# KiCad board 2choc2flat-extmcu-iso.kicad_pcb
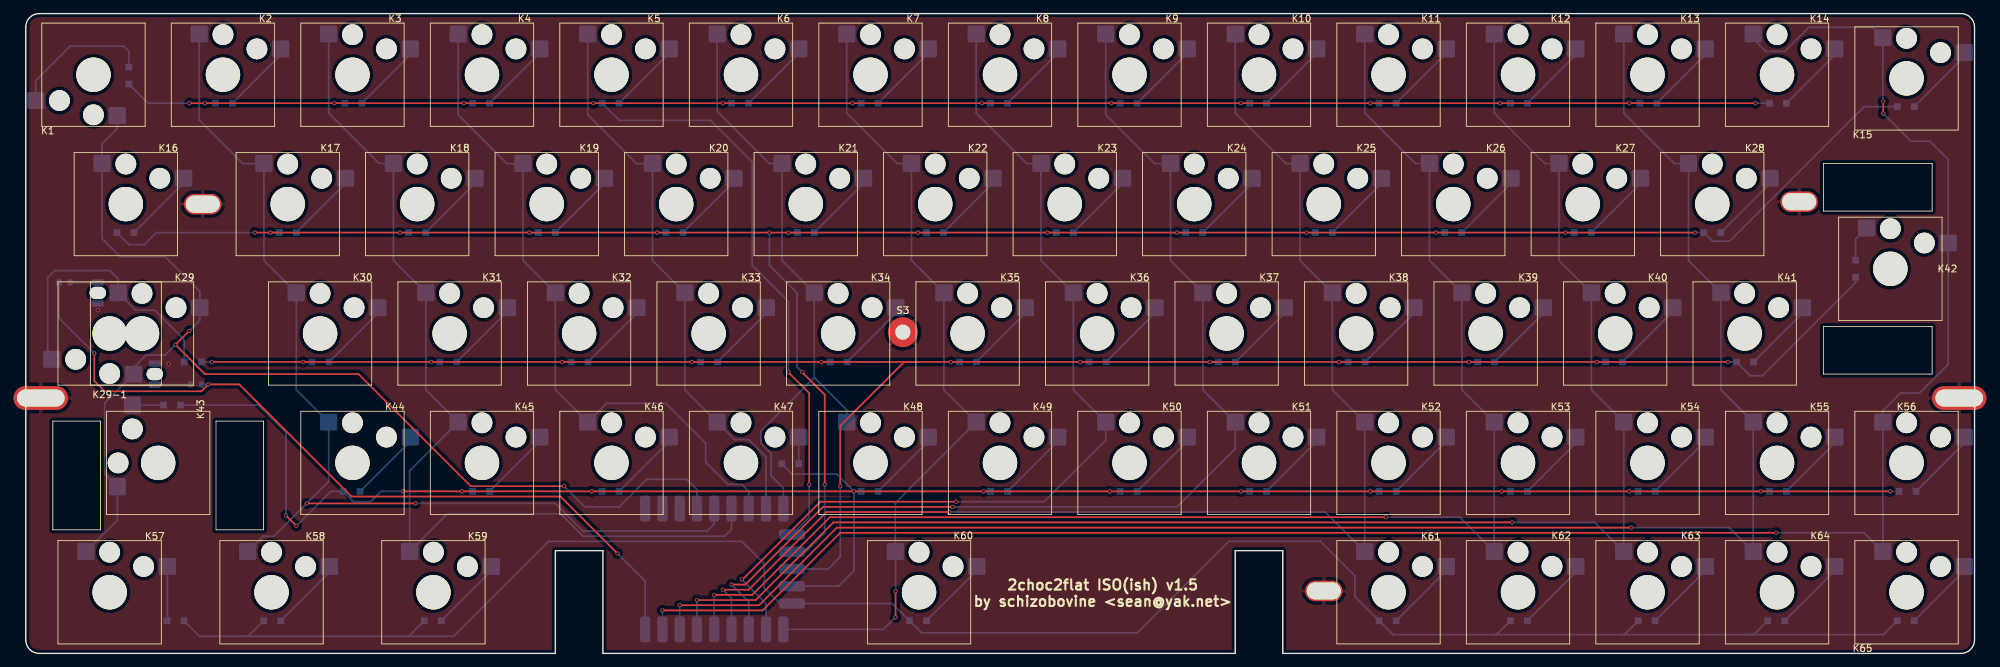
[diagram p0: board, top side]
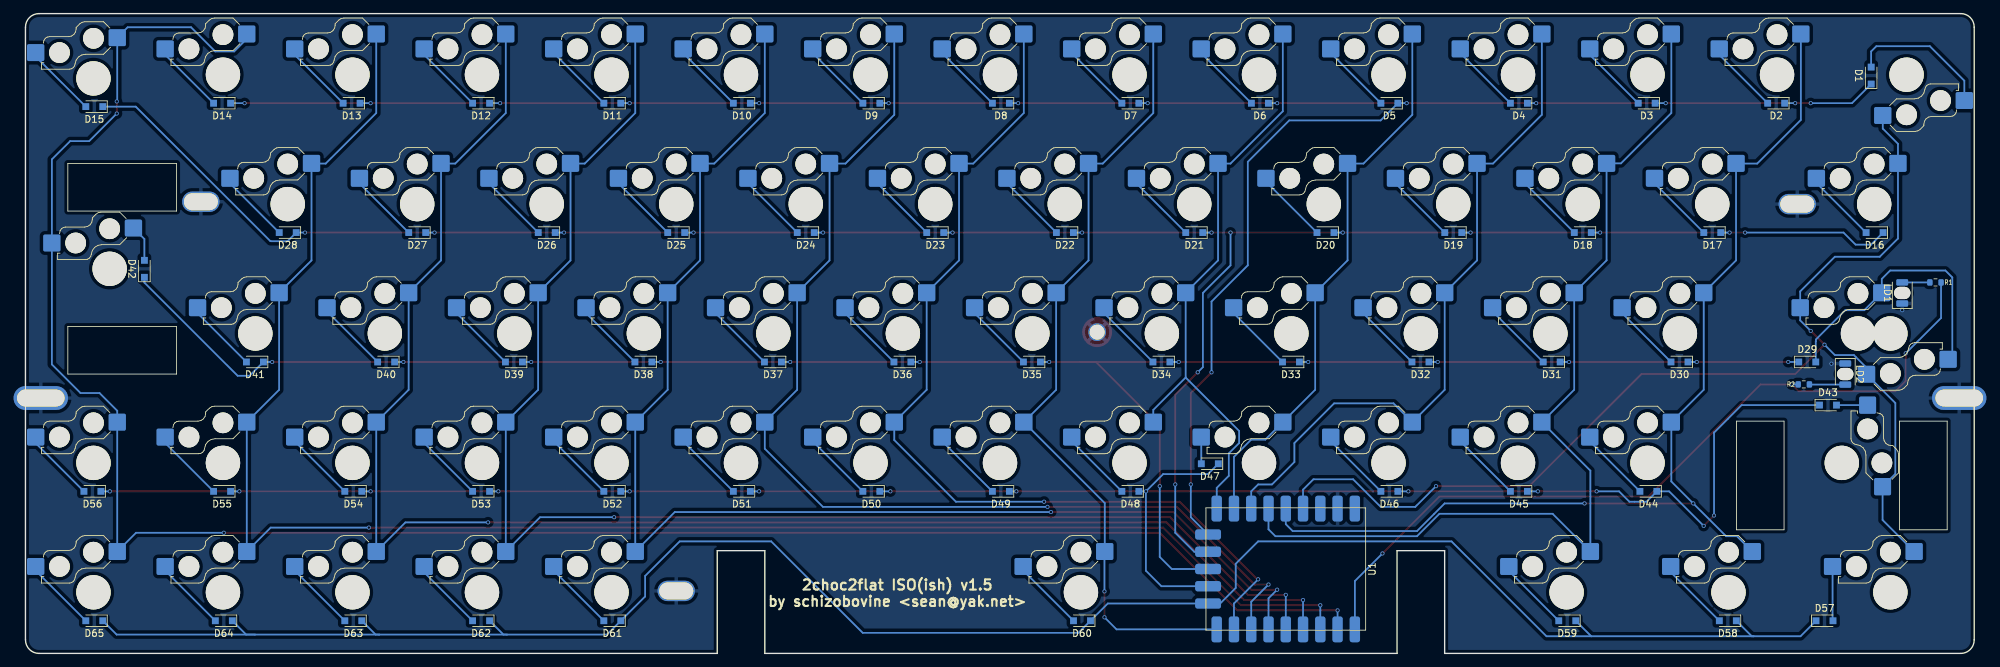
[diagram p1: board, bottom side, seen from below]

Outline 286.65 x 94.2 mm; copper layers: Top, Bottom. Coordinates in mm from the lower left corner of the outline.
Outline path: 0,92.2 0,2 arc(0.56,0.6) 1.95,0 77.89,0 77.89,15.13 84.89,15.13 84.89,0 177.89,0 177.89,15.13 184.89,15.13 184.89,0 284.65,0 arc(286.06,0.59) 286.65,2 286.65,92.2 arc(286.06,93.61) 284.65,94.2 1.95,94.2 arc(0.56,93.6) 0,92.2
Stack: Top 0.035mm / dielectric 1.51mm FR4 er 4.5 / Bottom 0.035mm

## Placement (name value [footprint] x y rotation side)
D1  D  [D_SOD-323_HandSoldering]  15.16 85.07 90 bottom
D2  D  [D_SOD-323_HandSoldering]  29.13 81.01 0 bottom
D3  D  [D_SOD-323_HandSoldering]  48.18 81.01 0 bottom
D4  D  [D_SOD-323_HandSoldering]  66.97 81.01 0 bottom
D5  D  [D_SOD-323_HandSoldering]  86.02 81.01 0 bottom
D6  D  [D_SOD-323_HandSoldering]  105.07 81.01 0 bottom
D7  D  [D_SOD-323_HandSoldering]  124.12 81.01 0 bottom
D8  D  [D_SOD-323_HandSoldering]  143.17 81.01 0 bottom
D9  D  [D_SOD-323_HandSoldering]  162.22 81.01 0 bottom
D10  D  [D_SOD-323_HandSoldering]  181.27 81.01 0 bottom
D11  D  [D_SOD-323_HandSoldering]  200.32 81.01 0 bottom
D12  D  [D_SOD-323_HandSoldering]  219.63 81.01 0 bottom
D13  D  [D_SOD-323_HandSoldering]  238.68 81.01 0 bottom
D14  D  [D_SOD-323_HandSoldering]  257.73 81.01 0 bottom
D15  D  [D_SOD-323_HandSoldering]  276.52 80.5 0 bottom
D16  D  [D_SOD-323_HandSoldering]  14.65 61.96 0 bottom
D17  D  [D_SOD-323_HandSoldering]  38.52 61.96 0 bottom
D18  D  [D_SOD-323_HandSoldering]  57.57 61.96 0 bottom
D19  D  [D_SOD-323_HandSoldering]  76.62 61.96 0 bottom
D20  D  [D_SOD-323_HandSoldering]  95.42 61.96 0 bottom
D21  D  [D_SOD-323_HandSoldering]  114.72 61.96 0 bottom
D22  D  [D_SOD-323_HandSoldering]  133.76 61.96 0 bottom
D23  D  [D_SOD-323_HandSoldering]  152.83 61.96 0 bottom
D24  D  [D_SOD-323_HandSoldering]  171.88 61.96 0 bottom
D25  D  [D_SOD-323_HandSoldering]  190.93 61.96 0 bottom
D26  D  [D_SOD-323_HandSoldering]  209.98 61.96 0 bottom
D27  D  [D_SOD-323_HandSoldering]  229.03 61.96 0 bottom
D28  D  [D_SOD-323_HandSoldering]  248.08 61.96 0 bottom
D29  D  [D_SOD-323_HandSoldering]  24.55 42.91 180 bottom
D30  D  [D_SOD-323_HandSoldering]  43.35 42.91 0 bottom
D31  D  [D_SOD-323_HandSoldering]  62.15 42.91 0 bottom
D32  D  [D_SOD-323_HandSoldering]  81.45 42.91 0 bottom
D33  D  [D_SOD-323_HandSoldering]  100.5 42.91 0 bottom
D34  D  [D_SOD-323_HandSoldering]  119.55 42.91 0 bottom
D35  D  [D_SOD-323_HandSoldering]  138.6 42.91 0 bottom
D36  D  [D_SOD-323_HandSoldering]  157.65 42.91 0 bottom
D37  D  [D_SOD-323_HandSoldering]  176.7 42.91 0 bottom
D38  D  [D_SOD-323_HandSoldering]  195.75 42.91 0 bottom
D39  D  [D_SOD-323_HandSoldering]  214.8 42.91 0 bottom
D40  D  [D_SOD-323_HandSoldering]  233.6 42.91 0 bottom
D41  D  [D_SOD-323_HandSoldering]  252.9 42.91 0 bottom
D42  D  [D_SOD-323_HandSoldering]  269.16 56.63 90 bottom
D43  D  [D_SOD-323_HandSoldering]  21.51 36.56 180 bottom
D44  D  [D_SOD-323_HandSoldering]  47.92 23.86 0 bottom
D45  D  [D_SOD-323_HandSoldering]  66.97 23.86 0 bottom
D46  D  [D_SOD-323_HandSoldering]  86.02 23.86 0 bottom
D47  D  [D_SOD-323_HandSoldering]  112.44 27.92 0 bottom
D48  D  [D_SOD-323_HandSoldering]  124.12 23.86 0 bottom
D49  D  [D_SOD-323_HandSoldering]  143.17 23.86 0 bottom
D50  D  [D_SOD-323_HandSoldering]  162.22 23.86 0 bottom
D51  D  [D_SOD-323_HandSoldering]  181.27 23.86 0 bottom
D52  D  [D_SOD-323_HandSoldering]  200.32 23.86 0 bottom
D53  D  [D_SOD-323_HandSoldering]  219.63 23.86 0 bottom
D54  D  [D_SOD-323_HandSoldering]  238.42 23.86 0 bottom
D55  D  [D_SOD-323_HandSoldering]  257.73 23.86 0 bottom
D56  D  [D_SOD-323_HandSoldering]  276.8 23.86 0 bottom
D57  D  [D_SOD-323_HandSoldering]  22.02 4.81 180 bottom
D58  D  [D_SOD-323_HandSoldering]  36.24 4.81 0 bottom
D59  D  [D_SOD-323_HandSoldering]  59.86 4.81 0 bottom
D60  D  [D_SOD-323_HandSoldering]  131.24 4.81 0 bottom
D61  D  [D_SOD-323_HandSoldering]  200.32 4.81 0 bottom
D62  D  [D_SOD-323_HandSoldering]  219.63 4.81 0 bottom
D63  D  [D_SOD-323_HandSoldering]  238.42 4.81 0 bottom
D64  D  [D_SOD-323_HandSoldering]  257.47 4.81 0 bottom
D65  D  [D_SOD-323_HandSoldering]  276.52 4.81 0 bottom
K1  KEYSW  [SW_Hotswap_Kailh_Choc_V2_1.00u]  9.95 85.2 180 top
K2  KEYSW  [SW_Hotswap_Kailh_Choc_V2_1.00u]  29 85.2 0 top
K3  KEYSW  [SW_Hotswap_Kailh_Choc_V2_1.00u]  48.05 85.2 0 top
K4  KEYSW  [SW_Hotswap_Kailh_Choc_V2_1.00u]  67.1 85.2 0 top
K5  KEYSW  [SW_Hotswap_Kailh_Choc_V2_1.00u]  86.15 85.2 0 top
K6  KEYSW  [SW_Hotswap_Kailh_Choc_V2_1.00u]  105.2 85.2 0 top
K7  KEYSW  [SW_Hotswap_Kailh_Choc_V2_1.00u]  124.25 85.2 0 top
K8  KEYSW  [SW_Hotswap_Kailh_Choc_V2_1.00u]  143.3 85.2 0 top
K9  KEYSW  [SW_Hotswap_Kailh_Choc_V2_1.00u]  162.35 85.2 0 top
K10  KEYSW  [SW_Hotswap_Kailh_Choc_V2_1.00u]  181.4 85.2 0 top
K11  KEYSW  [SW_Hotswap_Kailh_Choc_V2_1.00u]  200.45 85.2 0 top
K12  KEYSW  [SW_Hotswap_Kailh_Choc_V2_1.00u]  219.5 85.2 0 top
K13  KEYSW  [SW_Hotswap_Kailh_Choc_V2_1.00u]  238.55 85.2 0 top
K14  KEYSW  [SW_Hotswap_Kailh_Choc_V2_1.00u]  257.6 85.2 0 top
K15  KEYSW  [SW_Hotswap_Kailh_Choc_V2_1.00u]  276.65 84.66 0 top
K16  KEYSW  [SW_Hotswap_Kailh_Choc_V2_1.50u]  14.71 66.15 0 top
K17  KEYSW  [SW_Hotswap_Kailh_Choc_V2_1.00u]  38.52 66.15 0 top
K18  KEYSW  [SW_Hotswap_Kailh_Choc_V2_1.00u]  57.57 66.15 0 top
K19  KEYSW  [SW_Hotswap_Kailh_Choc_V2_1.00u]  76.62 66.15 0 top
K20  KEYSW  [SW_Hotswap_Kailh_Choc_V2_1.00u]  95.67 66.15 0 top
K21  KEYSW  [SW_Hotswap_Kailh_Choc_V2_1.00u]  114.72 66.15 0 top
K22  KEYSW  [SW_Hotswap_Kailh_Choc_V2_1.00u]  133.78 66.15 0 top
K23  KEYSW  [SW_Hotswap_Kailh_Choc_V2_1.00u]  152.83 66.15 0 top
K24  KEYSW  [SW_Hotswap_Kailh_Choc_V2_1.00u]  171.88 66.15 0 top
K25  KEYSW  [SW_Hotswap_Kailh_Choc_V2_1.00u]  190.93 66.15 0 top
K26  KEYSW  [SW_Hotswap_Kailh_Choc_V2_1.00u]  209.98 66.15 0 top
K27  KEYSW  [SW_Hotswap_Kailh_Choc_V2_1.00u]  229.03 66.15 0 top
K28  KEYSW  [SW_Hotswap_Kailh_Choc_V2_1.00u]  248.08 66.15 0 top
K29  KEYSW  [SW_Hotswap_Kailh_Choc_V2_1.75u]  17.09 47.1 0 top
K29-1  KEYSW  [SW_Hotswap_Kailh_Choc_V2_1.25u]  12.33 47.1 180 top
K30  KEYSW  [SW_Hotswap_Kailh_Choc_V2_1.00u]  43.29 47.1 0 top
K31  KEYSW  [SW_Hotswap_Kailh_Choc_V2_1.00u]  62.34 47.1 0 top
K32  KEYSW  [SW_Hotswap_Kailh_Choc_V2_1.00u]  81.39 47.1 0 top
K33  KEYSW  [SW_Hotswap_Kailh_Choc_V2_1.00u]  100.44 47.1 0 top
K34  KEYSW  [SW_Hotswap_Kailh_Choc_V2_1.00u]  119.49 47.1 0 top
K35  KEYSW  [SW_Hotswap_Kailh_Choc_V2_1.00u]  138.54 47.1 0 top
K36  KEYSW  [SW_Hotswap_Kailh_Choc_V2_1.00u]  157.59 47.1 0 top
K37  KEYSW  [SW_Hotswap_Kailh_Choc_V2_1.00u]  176.64 47.1 0 top
K38  KEYSW  [SW_Hotswap_Kailh_Choc_V2_1.00u]  195.69 47.1 0 top
K39  KEYSW  [SW_Hotswap_Kailh_Choc_V2_1.00u]  214.74 47.1 0 top
K40  KEYSW  [SW_Hotswap_Kailh_Choc_V2_1.00u]  233.79 47.1 0 top
K41  KEYSW  [SW_Hotswap_Kailh_Choc_V2_1.00u]  252.84 47.1 0 top
K42  KEYSW  [SW_Hotswap_Kailh_Choc_V2_ISOEnter_West_Gateron_LP_Stabs]  274.27 56.63 0 top
K43  KEYSW  [SW_Hotswap_Kailh_Choc_V2_2.00u_90deg_Gateron_LP_Stabs]  19.48 28.05 90 top
K44  KEYSW  [SW_Hotswap_Kailh_Choc_V2_1.00u]  48.05 28.05 0 top
K45  KEYSW  [SW_Hotswap_Kailh_Choc_V2_1.00u]  67.1 28.05 0 top
K46  KEYSW  [SW_Hotswap_Kailh_Choc_V2_1.00u]  86.15 28.05 0 top
K47  KEYSW  [SW_Hotswap_Kailh_Choc_V2_1.00u]  105.2 28.05 0 top
K48  KEYSW  [SW_Hotswap_Kailh_Choc_V2_1.00u]  124.25 28.05 0 top
K49  KEYSW  [SW_Hotswap_Kailh_Choc_V2_1.00u]  143.3 28.05 0 top
K50  KEYSW  [SW_Hotswap_Kailh_Choc_V2_1.00u]  162.35 28.05 0 top
K51  KEYSW  [SW_Hotswap_Kailh_Choc_V2_1.00u]  181.4 28.05 0 top
K52  KEYSW  [SW_Hotswap_Kailh_Choc_V2_1.00u]  200.45 28.05 0 top
K53  KEYSW  [SW_Hotswap_Kailh_Choc_V2_1.00u]  219.5 28.05 0 top
K54  KEYSW  [SW_Hotswap_Kailh_Choc_V2_1.00u]  238.55 28.05 0 top
K55  KEYSW  [SW_Hotswap_Kailh_Choc_V2_1.00u]  257.6 28.05 0 top
K56  KEYSW  [SW_Hotswap_Kailh_Choc_V2_1.00u]  276.65 28.05 0 top
K57  KEYSW  [SW_Hotswap_Kailh_Choc_V2_1.25u]  12.33 9 0 top
K58  KEYSW  [SW_Hotswap_Kailh_Choc_V2_1.25u]  36.14 9 0 top
K59  KEYSW  [SW_Hotswap_Kailh_Choc_V2_1.25u]  59.96 9 0 top
K60  KEYSW  [SW_Hotswap_Kailh_Choc_V2_6.25u]  131.39 9 0 top
K61  KEYSW  [SW_Hotswap_Kailh_Choc_V2_1.00u]  200.45 9 0 top
K62  KEYSW  [SW_Hotswap_Kailh_Choc_V2_1.00u]  219.5 9 0 top
K63  KEYSW  [SW_Hotswap_Kailh_Choc_V2_1.00u]  238.55 9 0 top
K64  KEYSW  [SW_Hotswap_Kailh_Choc_V2_1.00u]  257.6 9 0 top
K65  KEYSW  [SW_Hotswap_Kailh_Choc_V2_1.00u]  276.65 9 0 top
LD1  LED  [LED_1206_3216Metric_ReverseMount_Hole1.8x2.4mm]  10.59 53.07 90 bottom
LD2  LED  [LED_1206_3216Metric_ReverseMount_Hole1.8x2.4mm]  18.97 41.13 270 bottom
R1  330R  [R_0603_1608Metric]  5.7 54.62 0 bottom
R2  330R  [R_0603_1608Metric]  25.06 39.61 180 bottom
S1  Screw  [3_5x2.5mm]  26.03 66.15 0 top
S2  Screw  [3_5x2.5mm]  260.85 66.5 0 top
S3  Screw  [MountingHole_2.2mm_M2_Pad_TopOnly]  129.01 47.3 0 top
S4  Screw  [8x3.5_7x2.5mm]  2.2 37.6 0 top
S5  Screw  [8x3.5_7x2.5mm]  284.4 37.6 0 top
S6  Screw  [3_5x2.5mm]  190.93 9.2 0 top
U1  WS-RP2040-Tiny  [WAVESHARE_RP2040_TINY]  101.26 12.43 270 bottom

## Footprints (pads in the part's own frame, mm; a bottom-side part is the same pattern mirrored in y, then rotated)
3_5x2.5mm
  oval 5.5x3 hole 5x2.5: 1(0,0)
8x3.5_7x2.5mm
  oval 8x3.5 hole 7x2.5: 1(0,0)
D_SOD-323_HandSoldering
  rect 1x1 smd: 1(-1.25,0) 2(1.25,0)
LED_1206_3216Metric_ReverseMount_Hole1.8x2.4mm
  oval 1.8x2.4 hole 1.8x2.4 unplated: (0,0)
  rrect 0.95x1.75 smd: 1(-1.55,0) 2(1.55,0)
MountingHole_2.2mm_M2_Pad_TopOnly
  round 2.6 hole 2.2: 1(0,0)
  round 4.4 smd: 1(0,0)
R_0603_1608Metric
  rrect 0.8x0.95 smd: 1(-0.825,0) 2(0.825,0)
SW_Hotswap_Kailh_Choc_V2_1.00u
  round 3.05 hole 3.05 unplated: (0,5.9) (5,3.8)
  round 5.05 hole 5.05 unplated: (0,0)
  rrect 2.55x2.5 smd far side: 1(-3.5,6) 2(8.5,3.8)
SW_Hotswap_Kailh_Choc_V2_1.25u
  round 3.05 hole 3.05 unplated: (0,5.9) (5,3.8)
  round 5.05 hole 5.05 unplated: (0,0)
  rrect 2.55x2.5 smd far side: 1(-3.5,6) 2(8.5,3.8)
SW_Hotswap_Kailh_Choc_V2_1.50u
  round 3.05 hole 3.05 unplated: (0,5.9) (5,3.8)
  round 5.05 hole 5.05 unplated: (0,0)
  rrect 2.55x2.5 smd far side: 1(-3.5,6) 2(8.5,3.8)
SW_Hotswap_Kailh_Choc_V2_1.75u
  round 3.05 hole 3.05 unplated: (0,5.9) (5,3.8)
  round 5.05 hole 5.05 unplated: (0,0)
  rrect 2.55x2.5 smd far side: 1(-3.5,6) 2(8.5,3.8)
SW_Hotswap_Kailh_Choc_V2_2.00u_90deg_Gateron_LP_Stabs
  round 3.05 hole 3.05 unplated: (0,5.9) (5,3.8)
  round 5.05 hole 5.05 unplated: (0,0)
  rrect 2.55x2.5 smd far side: 1(-3.5,6) 2(8.5,3.8)
SW_Hotswap_Kailh_Choc_V2_6.25u
  round 3.05 hole 3.05 unplated: (0,5.9) (5,3.8)
  round 5.05 hole 5.05 unplated: (0,0)
  rrect 2.55x2.5 smd far side: 1(-3.5,6) 2(8.5,3.8)
SW_Hotswap_Kailh_Choc_V2_ISOEnter_West_Gateron_LP_Stabs
  round 3.05 hole 3.05 unplated: (0,5.9) (5,3.8)
  round 5.05 hole 5.05 unplated: (0,0)
  rrect 2.55x2.5 smd far side: 1(-3.5,6) 2(8.5,3.8)
WAVESHARE_RP2040_TINY
  rrect 3.81x1.524 smd: 1(8.89,10.16) 2(8.89,7.62) 3(8.89,5.08) 4(8.89,2.54) 5(8.89,0) 6(8.89,-2.54) 7(8.89,-5.08) 8(8.89,-7.62) 9(8.89,-10.16) 15(-8.89,-10.16) 16(-8.89,-7.62) 17(-8.89,-5.08) 18(-8.89,-2.54) 19(-8.89,0) 20(-8.89,2.54) 21(-8.89,5.08) 22(-8.89,7.62) 23(-8.89,10.16)
  rrect 1.524x3.81 smd: 10(5.08,-11.43) 11(2.54,-11.43) 12(0,-11.43) 13(-2.54,-11.43) 14(-5.08,-11.43)

## Nets
+3V3: U1.21
+5V: U1.23
GND: LD1.1 LD2.1 S1.1 S2.1 S3.1 S4.1 S5.1 S6.1 U1.22
col0: K1.1 K16.1 K29.2 K29-1.1 K43.1 K57.1 U1.20
col1: K2.1 K17.1 K30.1 K44.1 K58.1 U1.19
col2: K3.1 K18.1 K31.1 K45.1 K59.1 U1.18
col3: K4.1 K19.1 K32.1 K46.1 U1.17
col4: K5.1 K20.1 K33.1 K47.1 U1.16
col5: K6.1 K21.1 K34.1 K48.1 U1.15
col6: K7.1 K22.1 K35.1 K49.1 K60.1 U1.9
col7: K8.1 K23.1 K36.1 K50.1 U1.8
col8: K9.1 K24.1 K37.1 K51.1 U1.7
col9: K10.1 K25.1 K38.1 K52.1 K61.1 U1.6
col10: K11.1 K26.1 K39.1 K53.1 K62.1 U1.5
col11: K12.1 K27.1 K40.1 K54.1 K63.1 U1.4
col12: K13.1 K28.1 K41.1 K55.1 K64.1 U1.3
col13: K14.1 K15.1 K42.2 K56.1 K65.1 U1.2
col14: R1.1 R2.1 U1.1
row0: D1.1 D2.1 D3.1 D4.1 D5.1 D6.1 D7.1 D8.1 D9.1 D10.1 D11.1 D12.1 D13.1 D14.1 U1.14
row1: D15.1 D16.1 D17.1 D18.1 D19.1 D20.1 D21.1 D22.1 D23.1 D24.1 D25.1 D26.1 D27.1 D28.1 U1.13
row2: D29.1 D30.1 D31.1 D32.1 D33.1 D34.1 D35.1 D36.1 D37.1 D38.1 D39.1 D40.1 D41.1 D42.1 U1.12
row3: D43.1 D44.1 D45.1 D46.1 D47.1 D48.1 D49.1 D50.1 D51.1 D52.1 D53.1 D54.1 D55.1 D56.1 U1.11
row4: D57.1 D58.1 D59.1 D60.1 D61.1 D62.1 D63.1 D64.1 D65.1 U1.10
Net-(D1-Pad2): D1.2 K1.2
Net-(D2-Pad2): D2.2 K2.2
Net-(D3-Pad2): D3.2 K3.2
Net-(D4-Pad2): D4.2 K4.2
Net-(D5-Pad2): D5.2 K5.2
Net-(D6-Pad2): D6.2 K6.2
Net-(D7-Pad2): D7.2 K7.2
Net-(D8-Pad2): D8.2 K8.2
Net-(D9-Pad2): D9.2 K9.2
Net-(D10-Pad2): D10.2 K10.2
Net-(D11-Pad2): D11.2 K11.2
Net-(D12-Pad2): D12.2 K12.2
Net-(D13-Pad2): D13.2 K13.2
Net-(D14-Pad2): D14.2 K14.2
Net-(D15-Pad2): D15.2 K15.2
Net-(D16-Pad2): D16.2 K16.2
Net-(D17-Pad2): D17.2 K17.2
Net-(D18-Pad2): D18.2 K18.2
Net-(D19-Pad2): D19.2 K19.2
Net-(D20-Pad2): D20.2 K20.2
Net-(D21-Pad2): D21.2 K21.2
Net-(D22-Pad2): D22.2 K22.2
Net-(D23-Pad2): D23.2 K23.2
Net-(D24-Pad2): D24.2 K24.2
Net-(D25-Pad2): D25.2 K25.2
Net-(D26-Pad2): D26.2 K26.2
Net-(D27-Pad2): D27.2 K27.2
Net-(D28-Pad2): D28.2 K28.2
Net-(D29-Pad2): D29.2 K29.1 K29-1.2
Net-(D30-Pad2): D30.2 K30.2
Net-(D31-Pad2): D31.2 K31.2
Net-(D32-Pad2): D32.2 K32.2
Net-(D33-Pad2): D33.2 K33.2
Net-(D34-Pad2): D34.2 K34.2
Net-(D35-Pad2): D35.2 K35.2
Net-(D36-Pad2): D36.2 K36.2
Net-(D37-Pad2): D37.2 K37.2
Net-(D38-Pad2): D38.2 K38.2
Net-(D39-Pad2): D39.2 K39.2
Net-(D40-Pad2): D40.2 K40.2
Net-(D41-Pad2): D41.2 K41.2
Net-(D42-Pad2): D42.2 K42.1
Net-(D43-Pad2): D43.2 K43.2
Net-(D44-Pad2): D44.2 K44.2
Net-(D45-Pad2): D45.2 K45.2
Net-(D46-Pad2): D46.2 K46.2
Net-(D47-Pad2): D47.2 K47.2
Net-(D48-Pad2): D48.2 K48.2
Net-(D49-Pad2): D49.2 K49.2
Net-(D50-Pad2): D50.2 K50.2
Net-(D51-Pad2): D51.2 K51.2
Net-(D52-Pad2): D52.2 K52.2
Net-(D53-Pad2): D53.2 K53.2
Net-(D54-Pad2): D54.2 K54.2
Net-(D55-Pad2): D55.2 K55.2
Net-(D56-Pad2): D56.2 K56.2
Net-(D57-Pad2): D57.2 K57.2
Net-(D58-Pad2): D58.2 K58.2
Net-(D59-Pad2): D59.2 K59.2
Net-(D60-Pad2): D60.2 K60.2
Net-(D61-Pad2): D61.2 K61.2
Net-(D62-Pad2): D62.2 K62.2
Net-(D63-Pad2): D63.2 K63.2
Net-(D64-Pad2): D64.2 K64.2
Net-(D65-Pad2): D65.2 K65.2
Net-(LD1-Pad2): LD1.2 R1.2
Net-(LD2-Pad2): LD2.2 R2.2

## Via types
v1: diameter 0.6, hole 0.4, Top to Bottom, 88 vias

## Routing (per net, layer and track width the routed paths; a pad name or vN(x,y) marks a point on that pad's centre or on a via; arc(x,y) is an arc through that point)
GND:
  vias: v1(10.59,50.53) v1(21,42.66)
col0: length 176.8
  Top w0.25: v1(79.16,24.62) 65.45,24.62 48.94,41.13 26.33,41.13 v1(22.02,45.45) v1(24.05,47.48)
  Bottom w0.25: v1(79.16,24.62) 82.21,21.57 87.29,21.57 91.36,25.64 97.2,25.64 98.72,24.11 U1.20 ; K1.1 13.45,77.27 11.21,75.03 K16.1 11.21,61.08 13.89,58.4 20.49,58.4 25.59,53.3 K29.2 25.59,49.03 v1(24.05,47.48) ; v1(22.02,45.45) 20.49,43.93 17.7,43.93 15.83,42.06 K29-1.1 11.6,36.87 11.6,26.42 K43.1 13.48,19.64 K57.1
col1: length 156.2
  Top w0.25: v1(57.32,22.08) v1(41.32,22.08)
  Bottom w0.25: K58.1 34.9,17.26 36.49,17.26 v1(41.32,22.08) 44.55,25.31 K44.1 39.79,38.81 K30.1 35.02,57.86 K17.1 34.99,72.12 31.92,72.12 25.5,78.54 25.5,91.2 ; v1(57.32,22.08) 77.89,22.08 81.96,18.02 100.25,18.02 101.26,19.03 U1.19
col2: length 142.8
  Bottom w0.25: 44.55,91.2 44.55,79.56 51.96,72.15 K18.1 54.07,57.86 K31.1 58.84,38.81 K45.1 56.46,26.91 K59.1 62.01,20.56 78.66,20.56 81.96,17.26 102.79,17.26 103.8,18.27 U1.18
col3: length 100.8
  Bottom w0.25: U1.17 106.34,23.86 105.33,24.88 103.3,24.88 99.99,28.18 99.99,30.97 94.15,36.81 85.41,36.81 K46.1 77.89,38.81 K32.1 73.12,57.86 K19.1 73.09,72.12 70.78,72.12 63.6,79.3 63.6,91.2
col4: length 83.4
  Bottom w0.25: U1.16 108.88,28.94 106.34,31.48 104.27,31.48 K47.1 96.94,38.81 K33.1 92.17,57.86 K20.1 92.14,72.12 89.83,72.12 82.65,79.3 82.65,91.2
col5: length 90.1
  Bottom w0.25: 115.99,40.62 108.12,32.75 108.12,30.97 109.64,29.45 109.64,26.15 111.42,24.37 U1.15 ; 115.99,40.62 120.75,35.85 K48.1 ; 115.99,40.62 K34.1 111.22,57.86 K21.1 111.19,72.12 109.39,72.12 101.7,79.81 101.7,91.2
col6: length 117.2
  Top w0.25: v1(127.93,5.32) v1(127.93,9.13)
  Bottom w0.25: v1(127.93,5.32) 126.16,3.54 U1.9 ; 120.75,91.2 120.75,79.56 128.19,72.12 130.24,72.12 K22.1 130.28,57.86 K35.1 135.04,38.81 K49.1 127.89,22.14 K60.1 127.93,14.96 v1(127.93,9.13)
col7: length 139.8
  Top w0.25: v1(136.82,22.34) 116.88,22.34 105.45,10.91 v1(105.33,10.91)
  Bottom w0.25: U1.8 108.88,7.35 v1(105.33,10.91) ; 139.8,91.2 139.8,79.56 147.24,72.12 149.29,72.12 K23.1 149.33,57.86 K36.1 154.09,38.81 K50.1 158.85,31.41 149.78,22.34 v1(136.82,22.34)
col8: length 160.4
  Top w0.25: v1(136.31,21.57) 117.27,21.57 105.83,10.14 v1(103.8,10.14)
  Bottom w0.25: U1.7 106.34,7.6 v1(103.8,10.14) ; v1(136.31,21.57) 169.34,21.57 177.9,30.14 K51.1 173.14,38.81 K37.1 168.38,57.86 K24.1 168.34,72.12 166.03,72.12 158.85,79.3 158.85,91.2
col9: length 193.3
  Top w0.25: v1(102.53,9.38) 106.34,9.38 117.77,20.81 v1(135.81,20.81)
  Bottom w0.25: U1.6 103.8,8.11 v1(102.53,9.38) ; v1(135.81,20.81) 191.14,20.81 K61.1 K52.1 192.19,38.81 K38.1 187.43,57.86 K25.1 187.39,72.12 185.34,72.12 177.9,79.56 177.9,91.2
col10: length 212
  Top w0.25: v1(101.26,8.62) 106.85,8.62 118.28,20.05 v1(200.07,20.05)
  Bottom w0.25: U1.5 v1(101.26,8.62) ; 196.95,91.2 196.95,79.56 204.39,72.12 206.44,72.12 K26.1 206.48,57.86 K39.1 211.24,38.81 K53.1 K62.1 210.95,20.05 v1(200.07,20.05)
col11: length 232.5
  Top w0.25: v1(98.72,7.86) 107.36,7.86 118.79,19.29 v1(218.61,19.29)
  Bottom w0.25: 216,91.2 216,79.56 223.44,72.12 225.49,72.12 K27.1 225.53,57.86 K40.1 230.29,38.81 K54.1 K63.1 230.76,19.29 v1(218.61,19.29) ; U1.4 v1(98.72,7.86)
col12: length 253
  Top w0.25: v1(96.18,7.1) 107.87,7.1 119.3,18.53 v1(236.14,18.53)
  Bottom w0.25: v1(236.14,18.53) 250.57,18.53 K64.1 254.1,15 K55.1 249.34,38.81 K41.1 244.58,57.86 K28.1 244.54,72.12 242.49,72.12 235.05,79.56 235.05,91.2 ; U1.3 v1(96.18,7.1)
col13: length 297.7
  Top w0.25: v1(257.47,17.76) 119.8,17.76 108.38,6.33 v1(93.64,6.33) ; v1(273.22,81.26) v1(273.22,79.49)
  Bottom w0.25: 254.1,91.2 254.1,90.48 255.95,88.63 258.74,88.63 262.3,92.19 271.62,92.19 K15.1 273.15,81.33 v1(273.22,81.26) ; v1(257.47,17.76) 270.39,17.76 K65.1 K56.1 273.15,35.73 275.76,38.34 278.56,38.34 282.77,42.55 K42.2 282.77,72.73 280.08,75.42 277.29,75.42 v1(273.22,79.49) ; U1.2 v1(93.64,6.33)
col14: length 118.8
  Top w0.25: v1(10.08,44.18) 10.08,40.12 11.6,38.59 25.82,38.59 v1(26.84,39.61) 31.41,39.61 47.92,23.1 78.66,23.1 v1(87.04,14.72)
  Bottom w0.25: v1(10.08,44.18) 4.87,49.39 R1.1 ; v1(26.84,39.61) R2.1 ; U1.1 91.1,10.65 v1(87.04,14.72)
row0: length 344
  Top w0.25: v1(24.05,81.01) v1(26.33,81.01) v1(45.38,81.01) v1(64.43,81.01) v1(83.48,81.01) v1(102.53,81.01) v1(121.58,81.01) v1(140.63,81.01) v1(159.68,81.01) v1(178.73,81.01) v1(197.78,81.01) v1(216.83,81.01) v1(235.88,81.01) v1(254.43,81.01) ; v1(115.23,24.88) 115.23,38.34 v1(112.19,41.39)
  Bottom w0.25: D11.1 v1(197.78,81.01) ; D2.1 v1(26.33,81.01) ; U1.14 115.23,20.05 v1(115.23,24.88) ; D9.1 v1(159.68,81.01) ; v1(112.19,41.39) 112.19,51.8 106.85,57.13 106.85,72.37 100.75,78.47 87.31,78.47 D5.1 v1(83.48,81.01) ; D8.1 v1(140.63,81.01) ; D3.1 v1(45.38,81.01) ; D7.1 v1(121.58,81.01) ; D4.1 v1(64.43,81.01) ; v1(24.05,81.01) 17.97,81.01 D1.1 ; D12.1 v1(216.83,81.01) ; v1(254.43,81.01) D14.1 ; D10.1 v1(178.73,81.01) ; D6.1 v1(102.53,81.01) ; D13.1 v1(235.88,81.01)
row1: length 339.8
  Top w0.25: v1(33.7,61.96) v1(35.98,61.96) v1(55.03,61.96) v1(74.08,61.96) v1(92.88,61.96) v1(109.39,61.96) v1(112.19,61.96) v1(131.24,61.96) v1(150.29,61.96) v1(169.34,61.96) v1(188.39,61.96) v1(207.44,61.96) v1(226.49,61.96) v1(245.54,61.96) ; v1(114.22,41.39) 117.52,38.08 v1(117.52,24.88)
  Bottom w0.25: D24.1 v1(169.34,61.96) ; D26.1 v1(207.44,61.96) ; D19.1 v1(74.08,61.96) ; v1(33.7,61.96) 19.22,61.96 17.44,60.18 15.16,60.18 15.16,60.2 D16.1 ; D17.1 v1(35.98,61.96) ; D20.1 v1(92.88,61.96) ; v1(117.52,24.88) 117.52,17.76 114.72,14.97 U1.13 ; D15.1 270.43,80.5 250.62,60.69 248.09,60.69 D28.1 v1(245.54,61.96) ; D22.1 v1(131.24,61.96) ; v1(114.22,41.39) 113.45,42.15 113.45,53.07 109.39,57.13 v1(109.39,61.96) ; D27.1 v1(226.49,61.96) ; D18.1 v1(55.03,61.96) ; D23.1 v1(150.29,61.96) ; D21.1 v1(112.19,61.96) ; D25.1 v1(188.39,61.96)
row2: length 307.6
  Top w0.25: v1(27.35,42.91) v1(40.81,42.91) v1(59.61,42.91) v1(78.91,42.91) v1(97.96,42.91) v1(117.01,42.91) 131.49,42.91 ; 131.49,42.91 129.2,42.91 119.8,33.51 v1(119.8,24.62) ; 131.49,42.91 v1(136.06,42.91) v1(155.11,42.91) v1(174.16,42.91) v1(193.21,42.91) v1(212.26,42.91) v1(231.06,42.91) v1(250.36,42.91)
  Bottom w0.25: U1.12 118.03,12.43 119.8,14.21 v1(119.8,24.62) ; D34.1 v1(117.01,42.91) ; D38.1 v1(193.21,42.91) ; D31.1 v1(59.61,42.91) ; v1(250.36,42.91) D41.1 253.68,40.88 255.44,40.88 269.16,54.59 D42.1 ; D32.1 v1(78.91,42.91) ; D36.1 v1(155.11,42.91) ; D37.1 v1(174.16,42.91) ; D30.1 v1(40.81,42.91) ; D40.1 v1(231.06,42.91) ; D39.1 v1(212.26,42.91) ; D33.1 v1(97.96,42.91) ; D29.1 v1(27.35,42.91) ; D35.1 v1(136.06,42.91)
row3: length 317.9
  Top w0.25: v1(38.27,20.3) v1(39.79,18.78) ; v1(274.24,23.86) v1(255.19,23.86) v1(235.88,23.86) v1(217.09,23.86) v1(197.78,23.86) v1(178.73,23.86) v1(159.43,23.86) v1(140.89,23.86) v1(121.84,23.86) v1(83.23,23.86) v1(64.18,23.86) v1(55.54,23.86)
  Bottom w0.25: D50.1 v1(159.43,23.86) ; D45.1 v1(64.18,23.86) ; D47.1 112.71,26.4 119.3,26.4 v1(121.84,23.86) ; D49.1 v1(140.89,23.86) ; D53.1 v1(217.09,23.86) ; U1.11 119.55,9.89 121.84,12.18 v1(121.84,23.86) ; D54.1 v1(235.88,23.86) ; v1(55.54,23.86) 52.24,23.86 50.72,22.34 48.2,22.34 D44.1 44.88,23.86 v1(39.79,18.78) ; v1(38.27,20.3) 38.27,32.5 34.21,36.56 D43.1 ; D51.1 v1(178.73,23.86) ; D52.1 v1(197.78,23.86) ; v1(121.84,23.86) D48.1 ; D55.1 v1(255.19,23.86) ; D46.1 v1(83.23,23.86) ; v1(274.24,23.86) D56.1
row4: length 298
  Bottom w0.25: 56.32,2.52 D59.1 ; 56.32,2.52 62.91,2.52 76.88,16.49 105.33,16.49 108.63,13.19 108.63,9.64 110.91,7.35 U1.10 127.44,7.35 D60.1 131.76,3.03 163.49,3.03 176.96,16.49 190.42,16.49 195.5,11.41 195.5,8.39 D61.1 201.11,2.78 215.82,2.78 ; 56.32,2.52 32.43,2.52 ; 252.9,2.78 254.19,2.78 D64.1 ; 252.9,2.78 234.61,2.78 ; 252.9,2.78 273.24,2.78 D65.1 ; 215.82,2.78 234.61,2.78 ; 215.82,2.78 216.34,2.78 D62.1 ; 32.43,2.52 32.7,2.52 D58.1 ; 32.43,2.52 25.55,2.52 D57.1 ; 234.61,2.78 235.14,2.78 D63.1
Net-(D1-Pad2): length 21.3
  Bottom w0.25: K1.2 1.45,84.32 6.52,89.39 14.4,89.39 15.16,88.63 D1.2
Net-(D2-Pad2): length 10.9
  Bottom w0.25: D2.2 37.5,88.13 37.5,89
Net-(D3-Pad2): length 10.9
  Bottom w0.25: D3.2 56.55,88.13 56.55,89
Net-(D4-Pad2): length 11
  Bottom w0.25: D4.2 75.6,88.39 75.6,89
Net-(D5-Pad2): length 11
  Bottom w0.25: 94.65,89 94.65,88.39 D5.2
Net-(D6-Pad2): length 11
  Bottom w0.25: 113.7,89 113.7,88.39 D6.2
Net-(D7-Pad2): length 11
  Bottom w0.25: D7.2 132.75,88.39 132.75,89
Net-(D8-Pad2): length 11
  Bottom w0.25: D8.2 151.8,88.39 151.8,89
Net-(D9-Pad2): length 11
  Bottom w0.25: D9.2 170.85,88.39 170.85,89
Net-(D10-Pad2): length 11
  Bottom w0.25: D10.2 189.9,88.39 189.9,89
Net-(D11-Pad2): length 11
  Bottom w0.25: 208.95,89 208.95,88.39 D11.2
Net-(D12-Pad2): length 10.9
  Bottom w0.25: 228,89 228,88.13 D12.2
Net-(D13-Pad2): length 10.9
  Bottom w0.25: 247.05,89 247.05,88.13 D13.2
Net-(D14-Pad2): length 10.9
  Bottom w0.25: 266.1,89 266.1,88.13 D14.2
Net-(D15-Pad2): length 11
  Bottom w0.25: K15.2 285.15,87.88 D15.2
Net-(D16-Pad2): length 11
  Bottom w0.25: K16.2 23.21,69.27 D16.2
Net-(D17-Pad2): length 11
  Bottom w0.25: D17.2 47.02,69.21 K17.2
Net-(D18-Pad2): length 11
  Bottom w0.25: D18.2 66.08,69.21 K18.2
Net-(D19-Pad2): length 11
  Bottom w0.25: K19.2 85.12,69.21 D19.2
Net-(D20-Pad2): length 11.1
  Bottom w0.25: D20.2 104.17,69.46 K20.2
Net-(D21-Pad2): length 11
  Bottom w0.25: D21.2 123.22,69.21 K21.2
Net-(D22-Pad2): length 11
  Bottom w0.25: K22.2 142.28,69.23 D22.2
Net-(D23-Pad2): length 11
  Bottom w0.25: K23.2 161.33,69.21 D23.2
Net-(D24-Pad2): length 11
  Bottom w0.25: D24.2 180.38,69.21 K24.2
Net-(D25-Pad2): length 11
  Bottom w0.25: K25.2 199.43,69.21 D25.2
Net-(D26-Pad2): length 11
  Bottom w0.25: D26.2 218.48,69.21 K26.2
Net-(D27-Pad2): length 11
  Bottom w0.25: D27.2 237.53,69.21 K27.2
Net-(D28-Pad2): length 11
  Bottom w0.25: K28.2 256.57,69.21 D28.2
Net-(D29-Pad2): length 41.5
  Bottom w0.25: D29.2 23.3,45.94 23.29,45.96 23.29,46.21 18.97,50.53 16.16,50.53 K29.1 13.59,55.14 12.36,56.37 4.24,56.37 3.22,55.36 3.22,43.91 K29-1.2
Net-(D30-Pad2): length 11
  Bottom w0.25: K30.2 51.79,50.1 D30.2
Net-(D31-Pad2): length 11.1
  Bottom w0.25: D31.2 70.84,50.35 K31.2
Net-(D32-Pad2): length 11
  Bottom w0.25: D32.2 89.89,50.1 K32.2
Net-(D33-Pad2): length 11
  Bottom w0.25: D33.2 108.94,50.1 K33.2
Net-(D34-Pad2): length 11
  Bottom w0.25: K34.2 127.99,50.1 D34.2
Net-(D35-Pad2): length 11
  Bottom w0.25: K35.2 147.04,50.1 D35.2
Net-(D36-Pad2): length 11
  Bottom w0.25: D36.2 166.09,50.1 K36.2
Net-(D37-Pad2): length 11
  Bottom w0.25: K37.2 185.14,50.1 D37.2
Net-(D38-Pad2): length 11
  Bottom w0.25: K38.2 204.19,50.1 D38.2
Net-(D39-Pad2): length 11
  Bottom w0.25: D39.2 223.24,50.1 K39.2
Net-(D40-Pad2): length 11.1
  Bottom w0.25: K40.2 242.29,50.35 D40.2
Net-(D41-Pad2): length 11
  Bottom w0.25: K41.2 261.34,50.1 D41.2
Net-(D42-Pad2): length 5.4
  Bottom w0.25: K42.1 269.16,61.01 D42.2
Net-(D43-Pad2): length 4.6
  Bottom w0.25: D43.2 15.68,36.56 K43.2
Net-(D44-Pad2): length 11
  Bottom w0.25: D44.2 56.55,31.24 K44.2
Net-(D45-Pad2): length 11
  Bottom w0.25: K45.2 75.6,31.24 D45.2
Net-(D46-Pad2): length 11
  Bottom w0.25: K46.2 94.65,31.24 D46.2
Net-(D47-Pad2): length 3.9
  Bottom w0.25: K47.2 113.69,31.84 D47.2
Net-(D48-Pad2): length 11
  Bottom w0.25: D48.2 132.75,31.24 K48.2
Net-(D49-Pad2): length 11
  Bottom w0.25: D49.2 151.8,31.24 K49.2
Net-(D50-Pad2): length 11
  Bottom w0.25: K50.2 170.85,31.24 D50.2
Net-(D51-Pad2): length 11
  Bottom w0.25: K51.2 189.9,31.24 D51.2
Net-(D52-Pad2): length 11
  Bottom w0.25: D52.2 208.95,31.24 K52.2
Net-(D53-Pad2): length 10.9
  Bottom w0.25: D53.2 228,30.98 K53.2
Net-(D54-Pad2): length 11
  Bottom w0.25: K54.2 247.05,31.24 D54.2
Net-(D55-Pad2): length 10.9
  Bottom w0.25: K55.2 266.1,30.98 D55.2
Net-(D56-Pad2): length 10.9
  Bottom w0.25: D56.2 285.15,30.96 K56.2
Net-(D57-Pad2): length 8
  Bottom w0.25: D57.2 20.83,4.88 K57.2
Net-(D58-Pad2): length 11
  Bottom w0.25: D58.2 44.64,11.96 K58.2
Net-(D59-Pad2): length 11
  Bottom w0.25: D59.2 68.46,12.15 K59.2
Net-(D60-Pad2): length 11.1
  Bottom w0.25: D60.2 139.89,12.22 K60.2
Net-(D61-Pad2): length 11
  Bottom w0.25: D61.2 208.95,12.19 K61.2
Net-(D62-Pad2): length 10.9
  Bottom w0.25: K62.2 228,11.93 D62.2
Net-(D63-Pad2): length 11
  Bottom w0.25: K63.2 247.05,12.19 D63.2
Net-(D64-Pad2): length 11
  Bottom w0.25: K64.2 266.1,12.19 D64.2
Net-(D65-Pad2): length 11
  Bottom w0.25: D65.2 285.15,12.19 K65.2
Net-(LD1-Pad2): length 4.1
  Bottom w0.25: R1.2 LD1.2
Net-(LD2-Pad2): length 5.3
  Bottom w0.25: 24.24,39.61 24.21,39.58 LD2.2

## Copper pours and planes (outline as drawn; the poured copper is in the pictures)
GND on Top: 0.42,94.73 286.18,94.73 286.18,-0.53 0.42,-0.53
GND on Bottom: 0.42,94.73 286.18,94.73 286.18,-0.53 0.42,-0.53

## Text on the board
B.Silkscreen: 2choc2flat ISO(ish) v1.5 / by schizobovine <sean@yak.net>
F.Silkscreen: 2choc2flat ISO(ish) v1.5 / by schizobovine <sean@yak.net>
